# KiCad board Processor Board.kicad_pcb (continued)
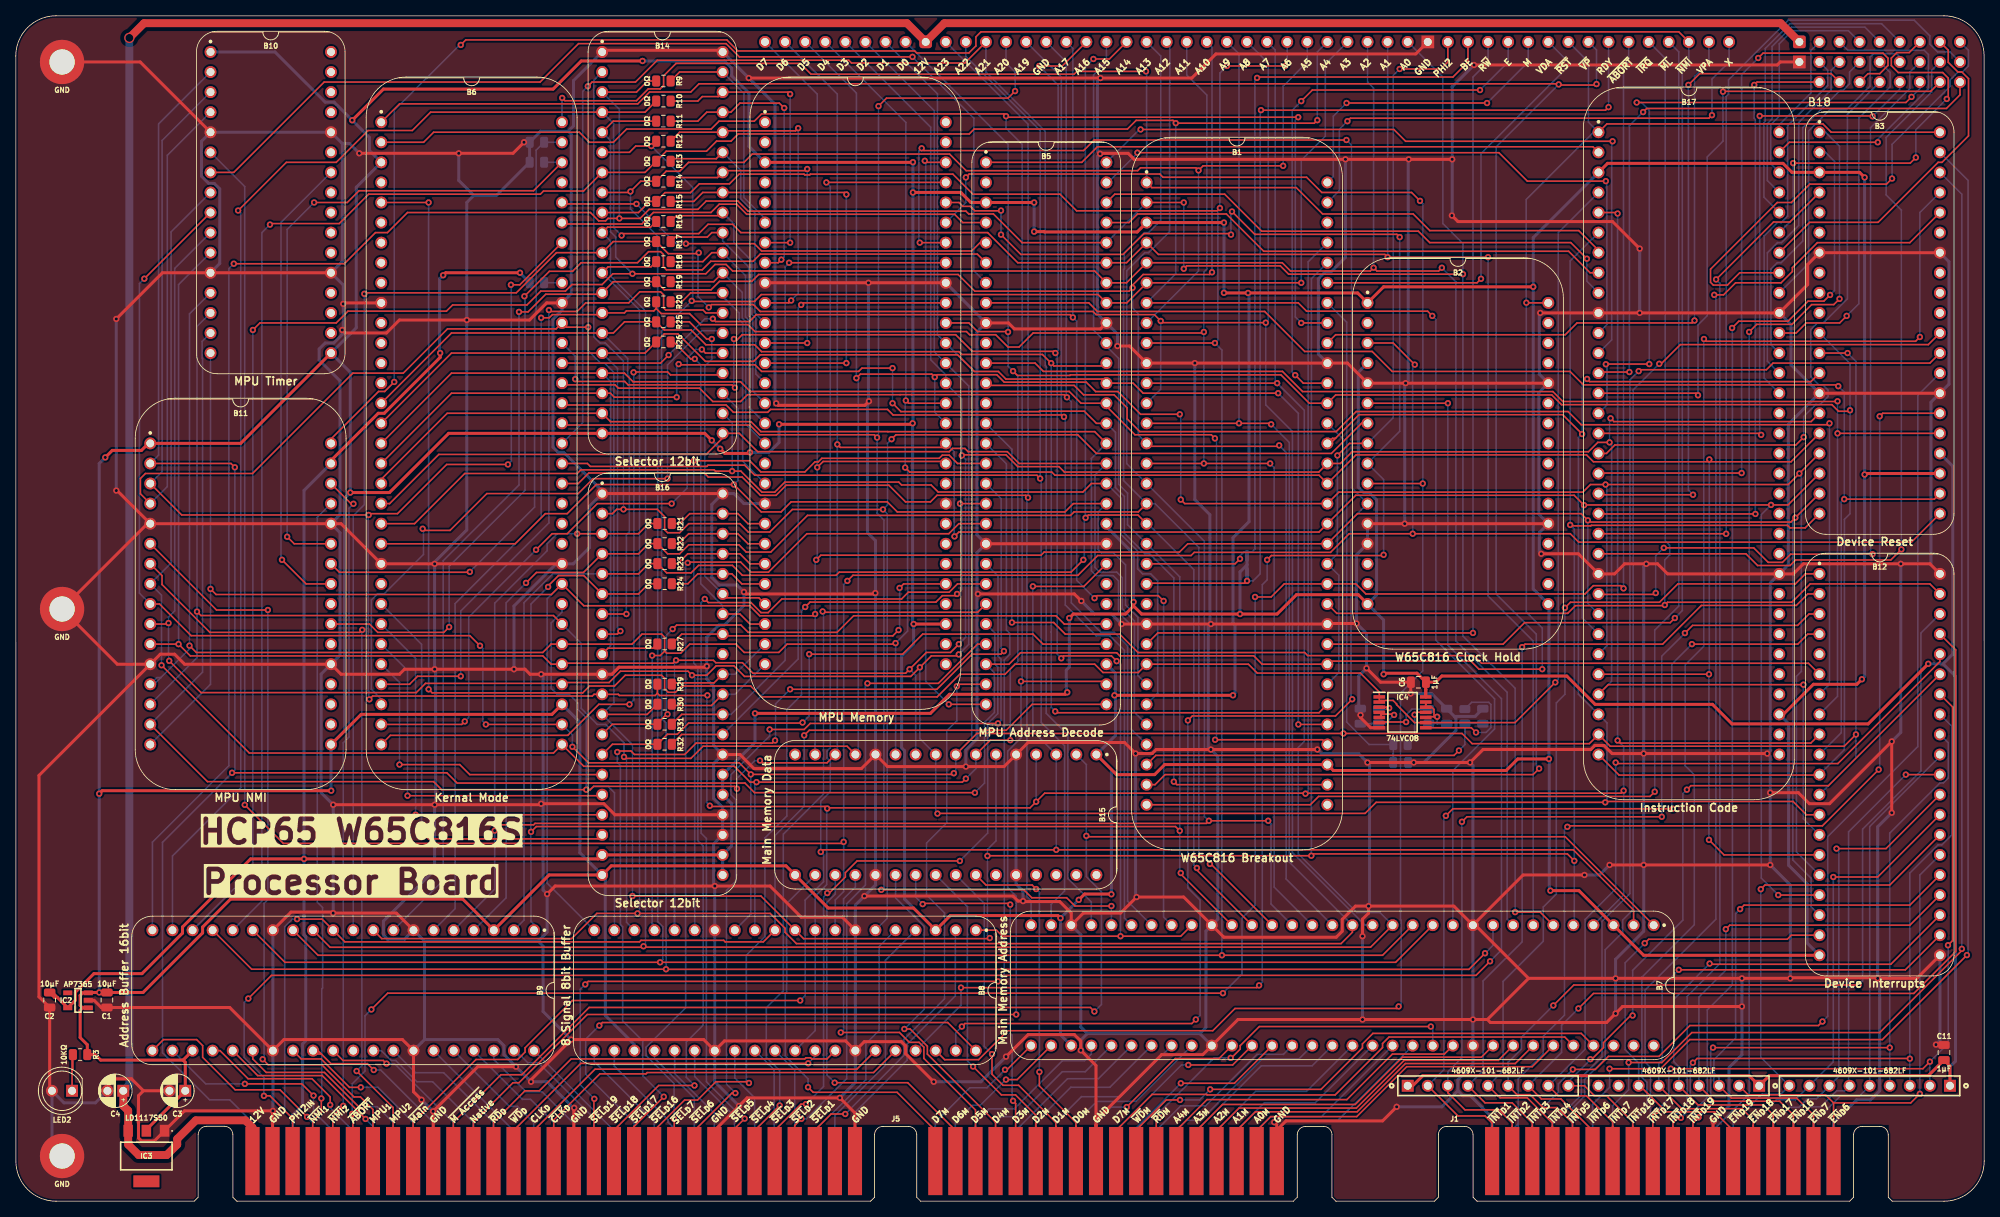
[diagram p0: board, top side]
## Footprints (pads in the part's own frame, mm; a bottom-side part is the same pattern mirrored in y, then rotated) (continued)
  rrect 1.6x1.6 hole 1: 9(20.32,0)
  rect 1.6x1.6 hole 1: 34(83.82,0)
HCP65_W65C816_Debug_Instruction
  rrect 1.6x1.6 hole 1: 1(-2.54,5.08)
  round 1.5 hole 1: 2(0,5.08) 3(2.54,5.08) 4(5.08,5.08) 5(7.62,5.08) 6(10.16,5.08) 7(12.7,5.08) 8(15.24,5.08) 9(17.78,5.08) 11(0,2.54) 12(2.54,2.54) 13(5.08,2.54) 14(7.62,2.54) 15(10.16,2.54) 16(12.7,2.54) 17(15.24,2.54) 18(17.78,2.54) 19(0,0) 20(2.54,0) 21(5.08,0) 22(7.62,0) 23(10.16,0) 24(12.7,0) 25(15.24,0) 26(17.78,0)
  rect 1.6x1.6 hole 1: 10(-2.54,2.54)
LD1117S33C
  rect 1.2x1.5 smd: 1(-2.3,-3.2) 2(0,-3.2) 3(2.3,-3.2)
  rect 3.3x1.5 smd: 4(0,3.2)
LED_D5.0mm
  rect 1.5x1.5 hole 1: 1(0,0)
  round 1.5 hole 1: 2(2.54,0)
NetTie-2_SMD_Pad0.5mm
  round 0.5 smd: 1(-0.5,0) 2(0.5,0)
R_0805
  rrect 1.4x1.025 smd: 1(-0.01,-0.912) 2(-0.01,0.912)
SOP65P640X110-14N
  rect 1.475x0.45 smd: 1(-2.938,1.95) 2(-2.938,1.3) 3(-2.938,0.65) 4(-2.938,0) 5(-2.938,-0.65) 6(-2.938,-1.3) 7(-2.938,-1.95) 8(2.938,-1.95) 9(2.938,-1.3) 10(2.938,-0.65) 11(2.938,0) 12(2.938,0.65) 13(2.938,1.3) 14(2.938,1.95)
SOT95P285X130-5N
  rect 1.15x0.6 smd: 1(-1.3,0.95) 2(-1.3,0) 3(-1.3,-0.95) 4(1.3,-0.95) 5(1.3,0.95)

## Nets
12V: B13.9 B18.1 C4.1 IC3.3 J5.B1
/3.3V: B2.4 B2.16 B3.24 B5.38 B11.31 B16.19 B16.21 B16.22 B16.25 B16.26 C2.1 C6.1 C11.1 IC2.5 IC4.14 NT1.2 NT2.2 NT3.2 R8.2 RN7.1 RN8.1 RN9.1
/5V: B1.3 B1.35 B2.1 B2.17 B3.3 B3.23 B4.3 B4.31 B5.3 B5.31 B6.3 B6.35 B7.3 B7.35 B8.3 B8.23 B9.3 B9.23 B10.1 B10.17 B11.1 B11.17 B12.20 B14.20 B15.1 B15.17 B16.20 B17.3 B17.35 C1.1 C3.1 IC2.1 IC2.3 IC3.2 R3.2
GND: B1.10 B1.23 B1.42 B1.55 B2.5 B2.12 B2.13 B2.21 B2.28 B3.7 B3.14 B3.27 B3.34 B4.9 B4.20 B4.37 B4.48 B5.9 B5.20 B5.37 B5.48 B6.10 B6.23 B6.42 B6.55 B7.10 B7.23 B7.30 B7.42 B7.55 B8.7 B8.14 B8.27 B8.34 B9.7 B9.14 B9.27 B9.34 B10.5 B10.12 B10.21 B10.28 B11.5 B11.12 B11.21 B11.28 B12.21 B12.40 B13.34 B14.1 B14.40 B15.5 B15.12 B15.21 B15.28 B16.1 B16.10 B16.23 B16.24 B16.27 B16.40 B17.10 B17.23 B17.42 B17.55 B18.10 C1.2 C2.2 C3.2 C4.2 C6.2 C7.2 C8.2 C9.2 C10.2 C11.2 H8.1 H9.1 H16.1 IC2.2 IC3.1 IC4.7 J1.2 J1.23 J1.36 J5.B2 J5.B10 J5.B17 J5.B24 J5.B31 J5.D9 J5.D18 LED2.2 R6.2 R7.2
/A0: B1.2 B5.52 B7.6 B9.20 B13.33 B14.3 R9.1
/A1: B1.4 B5.51 B7.7 B9.19 B13.32 B14.4 R10.1
/A2: B1.5 B5.50 B7.8 B9.18 B13.31 B14.5 R11.1
/A3: B1.6 B5.49 B7.9 B9.17 B13.30 B14.6 R12.1
/A4: B1.7 B7.11 B9.16 B13.29 B14.7 R13.1
/A5: B1.8 B7.12 B9.15 B13.28 B14.8 R14.1
/A6: B1.9 B7.13 B9.13 B13.27 B14.9 R15.1
/A7: B1.11 B7.14 B9.12 B13.26 B14.10 R16.1
/A8: B1.12 B7.15 B9.10 B13.25 B14.11 R17.1
/A9: B1.13 B7.16 B9.9 B13.24 B14.12 R18.1
/A10: B1.14 B7.17 B9.8 B13.23 B14.13 R19.1
/A11: B1.15 B7.18 B9.6 B13.22 B14.14 R20.1
/A12: B1.16 B7.19 B9.5 B13.21 B16.3 R21.1
/A13: B1.17 B7.20 B9.4 B13.20 B16.4 R22.1
/A14: B1.18 B7.21 B9.2 B13.19 B16.5 R23.1
/A15: B1.19 B5.47 B7.22 B9.1 B13.18 B16.6 R24.1
/A16: B6.53 B7.24 B8.1 B13.17
/A17: B6.52 B7.25 B13.16
/A18: B6.51 B7.26 B13.15
/A19: B6.50 B7.27 B13.14
/A20: B6.49 B7.28 B13.13
/A21: B6.48 B7.29 B13.12
/A22: B6.47 B7.31 B13.11
/A23: B6.46 B7.32 B13.10
/BA0: B1.38 B5.46 B6.15 B14.15 B16.7 R25.1
/BA1: B1.37 B5.45 B6.16 B14.16 B16.8 R26.1
/BA2: B1.36 B5.44 B6.17 B14.17 B16.9 R27.1
/BA3: B1.34 B5.43 B6.18 B14.18
/BA4: B1.29 B5.42 B6.19 B14.19
/BA5: B1.28 B5.41 B6.20 B14.21
/BA6: B1.27 B5.40 B6.21 B14.22
/BA7: B1.26 B5.39 B6.22 B14.23
/Bank Latch: B1.30 C9.1 R4.1
/BE: B1.20 B13.36 NT3.1
/CLK: B2.3 B3.21 B8.8 B10.6
/D0: B1.53 B3.11 B4.46 B6.33 B8.12 B10.8 B11.8 B12.11 B13.8 B15.7 B17.32
/D1: B1.52 B3.12 B4.45 B6.34 B8.13 B10.9 B11.9 B12.12 B13.7 B15.8 B17.31
/D2: B1.51 B3.13 B4.44 B6.36 B8.15 B10.10 B11.10 B12.13 B13.6 B15.9 B17.30
/D3: B1.50 B3.15 B4.43 B6.37 B8.16 B10.11 B11.11 B12.14 B13.5 B15.10 B17.29
/D4: B1.49 B3.16 B4.42 B6.38 B8.17 B10.13 B11.13 B12.15 B13.4 B15.11 B17.28
/D5: B1.48 B3.17 B4.41 B6.39 B8.18 B10.14 B11.14 B12.16 B13.3 B15.13 B17.27
/D6: B1.47 B3.18 B4.40 B6.40 B8.19 B10.15 B11.15 B12.17 B13.2 B15.14 B17.26
/D7: B1.46 B3.19 B4.39 B6.41 B8.20 B10.16 B11.16 B12.18 B13.1 B15.15 B17.25
/E: B1.54 B13.38
/Enter Interrupt: B6.62 B11.27 R6.1
/H0: B2.9 B4.52 B8.37
/H1: B2.10 B4.51 B8.38
/H2: B2.11 B4.50 B8.39
/IC0: B17.13 B18.26
/IC1: B17.14 B18.25
/IC2: B17.15 B18.24
/IC3: B17.16 B18.23
/IC4: B17.17 B18.22
/IC5: B17.18 B18.21
/IC6: B17.19 B18.20
/IC7: B17.20 B18.19
/IC8: B17.21 B18.18
/IC9: B17.22 B18.17
/IC10: B17.24 B18.16
/IC11: B17.56 B18.15
/IC12: B17.54 B18.14
/IC13: B17.53 B18.13
/IC14: B17.52 B18.12
/IC15: B17.51 B18.11
/Kernal Mode: B6.56 R8.1
/M: B1.64 B13.39
/OP0: B17.57 B18.9
/OP1: B17.58 B18.8
/OP2: B17.59 B18.7
/OP3: B17.60 B18.6
/OP4: B17.61 B18.5
/OP5: B17.62 B18.4
/OP6: B17.63 B18.3
/OP7: B17.64 B18.2
/Opcode Valid: B1.1 B6.64 B17.7
/PHI2: B1.39 B1.45 B2.8 B13.35
/RDY: B1.21 B13.43 NT2.1
/RTI: B6.63 B11.26 R7.1
/R~{W}: B1.24 B13.37
/SA0: B4.6 B14.39 R9.2
/SA1: B4.7 B14.38 R10.2
/SA2: B4.8 B14.37 R11.2
/SA3: B4.10 B14.36 R12.2
/SA4: B4.11 B14.35 R13.2
/SA5: B4.12 B14.34 R14.2
/SA6: B4.13 B14.33 R15.2
/SA7: B4.14 B14.32 R16.2
/SA8: B4.15 B14.31 R17.2
/SA9: B4.16 B14.30 R18.2
/SA10: B4.17 B14.29 R19.2
/SA11: B4.19 B14.28 R20.2
/SA12: B4.21 B16.39 R21.2
/SA13: B4.22 B16.38 R22.2
/SA14: B4.23 B16.37 R23.2
/SA15: B4.24 B16.36 R24.2
/SA16: B4.25 B16.35 R25.2
/SA17: B4.26 B16.34 R26.2
/SA18: B4.33 B16.33 R27.2
/S~{RAM_{CS}}: B4.47 B16.28 R32.2
/S~{RD}: B4.27 B16.31 R29.2
/S~{ROM_{CS}}: B4.49 B16.29 R31.2
/S~{WD}: B4.28 B16.30 R30.2
/UP0: B6.32 B14.24
/UP1: B6.31 B14.25
/UP2: B6.30 B14.26
/UP3: B6.29 B14.27
/UP4: B6.28 B16.15
/UP5: B6.27 B16.16
/UP6: B6.26 B16.17
/UP7: B6.25 B16.18
/VDA: B1.59 B13.40
/VPA: B1.56 B13.48
/X: B1.63 B13.49
/~{Clear Counter}: B5.1 B17.2
/~{CLK}: B2.7 B8.6 B14.2 B16.2
/~{Count Access}_{0}: B5.53 B17.8
/~{Count Access}_{1}: B5.54 B17.9
/~{Count Access}_{2}: B5.55 B17.11
/~{Count Access}_{3}: B5.56 B17.12
/~{Device Interrupt}_{ 1..7}: B5.14 B12.6
/~{Device Interrupt}_{ 16..19}: B5.12 B12.7
/~{Device Reset/Enable}_{ 1..7}: B3.25 B5.11 B12.8
/~{Device Reset/Enable}_{ 16..19}: B3.22 B5.8 B12.10
/~{Interrupt Depth}: B5.4 B6.59
/~{IRQ}: B1.43 B12.39 B13.45
/~{ML}: B1.32 B13.46
/~{NMI State}: B5.6 B11.23
/~{NMI}: B1.41 B11.32 B13.47
/~{PHI2}: B1.25 B6.5 B17.4 IC4.1 IC4.2 IC4.9
/~{PHI2}_{2}: C7.1 IC4.4 IC4.5 R1.1
/~{PHI2}_{3}: C8.1 IC4.10 IC4.12 IC4.13 R2.1
/~{RAM_{CS}}: B5.32 B16.14 R32.1
/~{RD}: B1.61 B6.58 B7.4 B8.9 B8.31 B10.3 B11.3 B12.9 B15.4 B16.11 B17.5 R29.1
/~{ROM_{CS}}: B5.33 B16.13 R31.1
/~{Special}: B4.54 B5.28
/~{Timer Speed Select}: B5.7 B10.7
/~{Timer}: B10.26 B11.25
/~{Trans Out}: B1.58 C10.1 R5.1
/~{User Program}: B5.5 B6.60
/~{VP}: B1.31 B6.1 B13.42
/~{WD}: B1.60 B3.20 B6.54 B7.5 B8.10 B10.4 B11.4 B15.6 B16.12 B17.6 R30.1
A0_{D}: B9.21 J5.A4
A0_{M}: B7.59 J5.D17
A1_{D}: B9.22 J5.A5
A1_{M}: B7.58 J5.D16
A2_{D}: B9.24 J5.A6
A2_{M}: B7.57 J5.D15
A3_{D}: B9.25 J5.A7
A3_{M}: B7.56 J5.D14
A4_{D}: B9.26 J5.A8
A4_{M}: B7.54 J5.D13
A5_{D}: B9.28 J5.A9
A5_{M}: B7.53 J5.D12
A6_{D}: B9.29 J5.A10
A6_{M}: B7.52 J5.C18
A7_{D}: B9.30 J5.A11
A7_{M}: B7.51 J5.C17
A8_{D}: B9.32 J5.A12
A8_{M}: B7.50 J5.C16
A9_{D}: B9.33 J5.A13
A9_{M}: B7.49 J5.C15
A10_{D}: B9.35 J5.A14
A10_{M}: B7.48 J5.C14
A11_{D}: B9.36 J5.A15
A11_{M}: B7.47 J5.C13
A12_{D}: B9.37 J5.A16
A12_{M}: B7.46 J5.C12
A13_{D}: B9.38 J5.A17
A13_{M}: B7.45 J5.C11
A14_{D}: B9.39 J5.A18
A14_{M}: B7.44 J5.C10
A15_{D}: B9.40 J5.A19
A15_{M}: B7.43 J5.C9
A16_{D}: B8.40 J5.A20
A16_{M}: B7.41 J5.C8
A17_{M}: B7.40 J5.C7
A18_{M}: B7.39 J5.C6
A19_{M}: B7.38 J5.C5
A20_{M}: B7.37 J5.C4
A21_{M}: B7.36 J5.C3
A22_{M}: B7.34 J5.C2
A23_{M}: B7.33 J5.C1
CLK_{D}: B8.35 J5.B15
CLK_{IN}: B2.6 J5.B3
D0_{D}: B8.30 J5.A28
D0_{M}: B15.26 J5.D8
D1_{D}: B8.29 J5.A27
D1_{M}: B15.25 J5.D7
D2_{D}: B8.28 J5.A26
D2_{M}: B15.24 J5.D6
D3_{D}: B8.26 J5.A25
D3_{M}: B15.23 J5.D5
D4_{D}: B8.25 J5.A24
D4_{M}: B15.22 J5.D4
D5_{D}: B8.24 J5.A23
D5_{M}: B15.20 J5.D3
D6_{D}: B8.22 J5.A22
D6_{M}: B15.19 J5.D2
D7_{D}: B8.21 J5.A21
D7_{M}: B15.18 J5.D1
H0_{D}: B8.2 J5.A31
H1_{D}: B8.4 J5.A30
H2_{D}: B8.5 J5.A29
Kernal: J5.A3 NT1.1
MPU0: B11.7 J5.B8
MPU1: B11.6 J5.B7
Native Latch: B1.57 B5.30 B6.2 J5.B12
~{ABORT}: B1.44 B13.44 J5.B6
~{CLK}_{D}: B8.36 J5.B16
~{Device}: B5.29 B8.11 B9.11 J5.A2
~{Enable}_{Device}1: B12.31 J1.34 RN8.5
~{Enable}_{Device}2: B12.30 J1.32 RN8.6
~{Enable}_{Device}3: B12.29 J1.30 RN8.7
~{Enable}_{Device}4: B12.28 J1.28 RN8.8
~{Enable}_{Device}5: B12.27 J1.26 RN8.9
~{Enable}_{Device}6: B12.26 J1.35 RN9.2
~{Enable}_{Device}7: B12.25 J1.33 RN9.3
~{Enable}_{Device}16: B12.24 J1.31 RN9.4
~{Enable}_{Device}17: B12.23 J1.29 RN9.5
~{Enable}_{Device}18: B12.22 J1.27 RN9.6
~{Enable}_{Device}19: B12.19 J1.25 RN9.7
~{Interrupt}_{Device}1: B12.4 J1.1 RN7.2
~{Interrupt}_{Device}2: B12.3 J1.3 RN7.3
~{Interrupt}_{Device}3: B12.2 J1.5 RN7.4
~{Interrupt}_{Device}4: B12.1 J1.7 RN7.5
~{Interrupt}_{Device}5: B12.38 J1.9 RN7.6
~{Interrupt}_{Device}6: B12.37 J1.11 RN7.7
~{Interrupt}_{Device}7: B12.36 J1.13 RN7.8
~{Interrupt}_{Device}16: B12.35 J1.15 RN7.9
~{Interrupt}_{Device}17: B12.34 J1.17 RN8.2
~{Interrupt}_{Device}18: B12.33 J1.19 RN8.3
~{Interrupt}_{Device}19: B12.32 J1.21 RN8.4
~{Main Access}: B7.1 B15.2 J5.B11
~{Main}: B4.53 B5.36 B7.2 B15.3 J5.B9
~{NMI}_{1}: B11.29 J5.B4
~{NMI}_{2}: B11.30 J5.B5
~{RD}_{D}: B8.33 J5.B13
~{RD}_{M}: B7.60 J5.D10
~{Reset}: B1.40 B2.32 B3.40 B5.26 B10.2 B11.2 B13.41 B17.1 J5.A1
~{Reset}_{Device}1: B3.1 J1.24
~{Reset}_{Device}2: B3.2 J1.22
~{Reset}_{Device}3: B3.4 J1.20
~{Reset}_{Device}4: B3.36 J1.18
~{Reset}_{Device}5: B3.37 J1.16
~{Reset}_{Device}6: B3.38 J1.14
~{Reset}_{Device}7: B3.39 J1.12
~{Reset}_{Device}16: B3.30 J1.10
~{Reset}_{Device}17: B3.29 J1.8
~{Reset}_{Device}18: B3.28 J1.6
~{Reset}_{Device}19: B3.26 J1.4
~{Select}_{Device}1: B5.27 J5.B29
~{Select}_{Device}2: B5.25 J5.B28
~{Select}_{Device}3: B5.24 J5.B27
~{Select}_{Device}4: B5.23 J5.B26
~{Select}_{Device}5: B5.22 J5.B25
~{Select}_{Device}6: B5.21 J5.B23
~{Select}_{Device}7: B5.19 J5.B22
~{Select}_{Device}16: B5.18 J5.B21
~{Select}_{Device}17: B5.17 J5.B20
~{Select}_{Device}18: B5.16 J5.B19
~{Select}_{Device}19: B5.15 J5.B18
~{WD}_{D}: B8.32 J5.B14
~{WD}_{M}: B7.61 J5.D11
Net-(IC4-1Y): IC4.3 R1.2
Net-(IC4-2Y): IC4.6 R2.2
Net-(IC4-3Y): IC4.8 R4.2
Net-(IC4-4Y): IC4.11 R5.2
Net-(LED2-K): LED2.1 R3.1

Pads without a net: B1 22 33 62; B2 2 14 15 18 19 20 22 23 24 25 26 27 29 30 31; B3 5 6 8 9 10 31 32 33 35; B4 1 2 4 5 18 29 30 32 34 35 36 38 55 56; B5 2 10 13 34 35; B6 4 6 7 8 9 11 12 13 14 24 43 44 45 57 61; B7 62 63 64; B9 31; B10 18 19 20 22 23 24 25 27 29 30 31 32; B11 18 19 20 22 24; B12 5; B15 16 27 29 30 31 32; B16 32; B17 33 34 36 37 38 39 40 41 43 44 45 46 47 48 49 50; IC2 4; IC3 4; J5 B30; RN9 8 9

## Via types
v1: diameter 0.8, hole 0.4, Top to Bottom, 622 vias
v2: diameter 1.3, hole 1, Top to Bottom, 1 via

## Routing (per net, layer and track width the routed paths; a pad name or vN(x,y) marks a point on that pad's centre or on a via; arc(x,y) is an arc through that point)
12V: length 378.6
  Top w1: J5.B1 29.93,9.33 29.02,10.23 22.77,10.23 20.41,7.87 20.41,7.17 19.09,5.84 15.53,5.84 14.21,7.17 IC3.3 14.21,11.45 13.6,12.07 13.6,13.96 ; v2(14.36,147.19) 16.22,149.06 112.7,149.06 B13.9 117.44,149.06 223.19,149.06 B18.1
  Bottom w1: C4.1 14.36,14.74 v2(14.36,147.19)
/3.3V: length 632.8
  Top w0.38: 5.26,25.77 4.62,26.41 ; 5.26,25.77 IC2.5 7.53,25.43 7.53,26.45 9.88,28.79 15.95,28.79 21.08,33.92 21.08,34.69 29.7,43.31 v1(36.45,43.31) 73.64,43.31 B16.19 B16.22 ; 5.26,25.77 4.92,25.77 4.28,26.41 ; v1(172.98,66.68) 173.11,66.8 177.2,66.8 C6.1 179.56,65.67 180.35,66.45 196.14,66.45 199.73,62.87 214.57,62.87 217.05,60.39 234.26,60.39 v1(241.86,67.99) ; 39.86,93.72 45.83,99.7 46.59,99.7 53.67,106.77 v1(53.67,107.32) ; 178.31,64.72 IC4.14 178.31,64.73 ; 178.31,64.73 178.31,65.33 ; RN7.1 176.66,14.61 177.93,15.88 219.21,15.88 RN9.1 221.75,15.88 241.86,15.88 C11.1 244.61,17.1 RN8.1 ; v1(63.76,117.48) 54.36,117.48 v1(54.05,117.16) ; v1(93.48,61.72) 115.66,61.72 118.07,64.14 132.72,64.14 v1(132.98,64.39) ; B2.16 169.77,76.74 161.97,76.74 159.52,74.3 v1(154.82,74.3) 142.38,74.3 141.36,75.31 ; 141.36,75.31 v1(141.36,75.82) ; 141.36,75.31 140.34,74.3 133.74,74.3 v1(133.23,73.79)
  Bottom w0.38: 155.71,80.52 154.82,79.63 v1(154.82,74.3) ; 155.71,80.52 NT3.2 ; 155.71,80.52 NT2.2 ; v1(241.86,67.99) 243.73,67.99 ; 243.73,67.99 245.31,66.42 245.31,17.72 244.61,17.02 RN8.1 ; 243.73,67.99 244.95,69.22 244.95,93 B3.24 ; R8.2 63.76,117.44 v1(63.76,117.48) ; 137.93,85.34 141.36,81.92 v1(141.36,75.82) ; v1(133.23,73.79) 133.23,67.58 132.85,67.2 132.85,64.52 v1(132.98,64.39) ; v1(54.05,117.16) 53.6,116.71 53.6,107.38 v1(53.67,107.32) ; v1(172.98,66.68) 172.98,73.53 B2.16 172.09,76.71 172.09,88.74 171.17,89.66 170.46,89.66 169.78,90.35 169.78,104.87 B2.4 ; B16.21 B16.22 90.54,44.96 90.54,50.29 B16.25 B16.26 93.48,58.06 v1(93.48,61.72) ; B11.31 36.45,89.93 v1(36.45,43.31) 36.45,33.68 36.67,33.47 36.67,20.3 36.27,19.91 36.27,12.14 NT1.2
/5V: length 1322
  Top w0.38: v1(89.08,95.21) 89.67,94.62 92.72,94.62 v1(92.84,94.74) ; v1(233.47,66.04) 232.83,65.41 227.34,65.41 223.53,61.6 ; v1(132.11,35.81) 131.79,36.14 118.18,36.14 B8.3 113.52,37.1 102.74,37.1 B15.17 97.4,42.44 75.31,42.44 B16.20 67.44,41.28 B9.3 56.52,38.23 27.16,38.23 23.62,34.69 23.62,33.95 16.09,26.41 v1(10.55,26.41) 9.21,26.41 ; v1(88.02,96.27) 87.13,97.16 B14.20 54.75,97.16 47.25,89.67 42.3,89.67 v1(42.3,89.66) ; B3.23 233.94,92.08 v1(233.81,91.95) ; v1(96.53,98.3) 113.29,98.3 v1(113.42,98.43) ; v1(11.31,94.11) 12.2,95 15.88,95 16.77,95.89 ; v1(10.55,51.56) 10.93,51.94 v1(39.89,51.94) ; v1(191.91,115.7) 172.98,115.7 B2.1 169.7,114.92 v1(155.84,114.92) 152.81,114.92 v1(152.79,114.94) ; B10.17 28.43,95.89 B11.1 ; 21.16,17.85 10.73,17.85 10.03,18.55 R3.2 9.04,19.8 8.14,20.7 8.14,24.16 8.44,24.46 ; 21.16,17.85 21.43,17.58 C3.1 16.51,9.05 ; 21.16,17.85 B9.23 ; v1(233.81,129.54) 233.18,130.18 B3.3 224.64,130.18 223.49,131.32 201.3,131.32 B17.3 ; 8.44,24.46 8.14,24.77 8.14,26.04 8.46,26.36 IC2.3 ; 8.44,24.46 IC2.1 ; v1(113.45,131.47) 113.43,131.45 B4.3 ; B15.1 139.2,53.98 144.03,53.98 145.3,55.25 B1.35 166.62,54.5 188.49,54.5 189.95,55.96 v1(193.89,55.96) ; v1(152.79,123.83) B1.3 141.82,122.64 130.1,122.64 130.06,122.68 v1(128.79,122.68) ; v1(134.43,38.13) 135.16,38.86 138.53,38.86 v1(138.55,38.84) ; v1(128.79,126.37) B5.3 120.79,126.37 119.52,127.64 v1(113.45,127.64) ; B12.20 205.87,31.12 197.69,39.29 v1(194.08,39.29) ; v1(79.26,144.27) 71.51,144.27 67.95,140.72 46.49,140.72 v1(42.54,136.77) ; v1(138.95,64.01) v1(153.93,64.01) ; B6.35 67.8,61.6 43.67,61.6 B11.17 ; v1(113.55,73.03) B4.31
  Bottom w0.38: v1(233.47,66.04) 233.81,66.39 v1(233.81,91.95) v1(233.81,129.54) ; B17.35 224.21,60.41 224.21,42.5 226.55,40.16 226.55,32.67 B12.20 ; v1(10.55,26.41) v1(10.55,51.56) 10.55,93.35 v1(11.31,94.11) ; B5.31 139.07,66.8 139.07,64.14 v1(138.95,64.01) 139.07,63.88 139.07,58.93 B15.1 138.55,54.62 v1(138.55,38.84) ; B4.3 92.72,133.48 92.72,140.22 90.53,142.4 90.53,143.35 89.61,144.27 v1(79.26,144.27) ; v1(155.84,114.92) 155.96,114.79 155.96,85.98 153.93,83.95 153.93,73.15 154.19,72.9 154.19,64.26 v1(153.93,64.01) ; v1(152.79,123.83) v1(152.79,114.94) ; v1(92.84,94.74) 95.26,94.74 96.53,96.01 v1(96.53,98.3) ; v1(39.89,51.94) 39.86,51.97 B11.17 41.58,59.51 41.58,88.95 v1(42.3,89.66) 42.3,104.88 B10.17 43.06,110.51 43.06,128.29 B6.3 44.71,132.95 44.71,134.6 v1(42.54,136.77) 40.25,139.07 39.12,139.07 32.77,145.42 B10.1 ; B17.3 191.91,121.92 v1(191.91,115.7) 191.91,77.47 B2.17 ; v1(113.45,131.47) v1(113.45,127.64) 113.45,98.46 v1(113.42,98.43) 113.42,73.15 v1(113.55,73.03) 113.55,70.49 112.02,68.96 112.02,57.37 112.4,56.99 112.4,38.22 B8.3 ; v1(89.08,95.21) v1(88.02,96.27) ; B7.35 132.11,21.05 v1(132.11,35.81) v1(134.43,38.13) ; B8.23 78.23,19.82 74.55,23.5 74.55,40.88 B16.20 71.33,44.1 71.33,60.61 B6.35 ; 193.89,75.49 v1(193.89,55.96) 193.94,55.91 193.94,39.43 v1(194.08,39.29) ; v1(128.79,122.68) v1(128.79,126.37)
GND: length 3323.3
  Top w0.38: v1(201.56,42.55) v1(205.88,42.55) v1(221.88,42.55) ; B10.5 15.73,144.15 H8.1 ; B13.34 177.05,145.16 151.77,145.16 148.73,142.11 v1(137.17,142.11) v1(92.69,142.11) ; B16.27 91.58,56.52 93.35,54.74 106.94,54.74 B15.12 110.24,54.99 v1(120.15,54.99) 124.98,54.99 B15.5 128.02,58.04 140.22,58.04 v1(141.61,56.64) 141.62,56.65 143.72,56.65 144.22,57.15 v1(151.14,57.15) 164.59,57.15 v1(164.6,57.16) ; C4.2 11.59,14.55 12.53,15.49 14.61,15.49 16.14,13.97 ; v1(184.41,143.76) 222.77,143.76 223.15,144.15 B18.10 ; B11.5 12.81,89.92 v1(12.71,89.92) ; 104.22,13.07 106.13,11.16 106.13,8.12 ; 104.22,13.07 92.49,13.07 v1(91.47,12.05) 88.35,8.93 ; 104.22,13.07 v1(104.22,13.08) ; 4.28,14.26 4.28,24.51 2.93,25.86 2.93,53.87 B11.12 ; v1(198.38,41.28) 190.63,41.28 184.28,34.93 181.87,37.34 v1(171.08,37.34) ; 17.18,85.73 B11.28 41.13,85.73 B6.23 v1(52.97,80.65) B6.42 ; v1(221.5,56.64) v1(205.88,56.64) 201.88,56.64 200.87,57.66 199.69,57.66 199.18,57.15 185.56,57.15 v1(183.91,55.51) v1(176.79,55.51) 170.96,55.51 v1(170.95,55.5) ; B5.9 125.53,111.13 126.28,110.38 137.18,110.38 B5.48 ; v1(171.08,37.34) 171.08,36.45 170.31,35.69 v1(170.31,33.53) ; v1(171.08,37.34) 169.42,37.34 167.75,35.66 167.75,34.16 166.99,33.4 152.78,33.4 B7.23 147.7,38.48 v1(141.74,38.48) 139.71,36.45 135,36.45 B7.30 133.48,36.46 132.03,37.91 127.45,37.91 v1(127.39,37.97) 126.75,37.97 126.12,38.61 v1(107.32,38.61) ; v1(170.82,67.44) 172.59,65.67 C6.2 ; B3.14 B3.27 ; v1(51.32,12.83) 50.29,13.85 B9.34 48.89,20.45 33.91,20.45 B9.27 27.05,24.51 10.81,24.51 9.9,25.41 IC2.2 ; B16.1 B16.40 ; v1(96.17,100.95) 96.43,100.69 107.37,100.69 v1(107.89,101.22) ; 165.94,73.1 v1(169.56,73.1) ; 159.47,9.68 J5.D18 ; v1(41.41,113.54) 41.54,113.67 B6.10 ; 136.61,10.24 144.92,18.55 150.12,18.55 B7.42 154.56,22.99 v1(170.31,22.99) v1(184.29,22.99) 186.11,22.99 ; 136.61,10.24 136.61,17.16 v1(134.69,19.09) 134.69,20.26 133.87,21.08 128.02,21.08 v1(125.23,18.29) ; 136.61,10.24 136.61,9.63 ; B1.42 v1(151.14,73.03) B1.23 v1(139.84,73.03) ; v1(242.83,19.81) 242.88,19.76 C11.2 ; 52.79,8.97 52.79,11.35 v1(52.78,11.37) 58.43,17.02 v1(63.25,17.02) ; v1(67.19,38.86) 68.21,39.88 v1(88.4,39.88) 95.38,39.88 99.32,35.94 104.52,35.94 B8.7 ; v1(192.79,112.4) B17.10 v1(205.37,112.4) B17.55 226.61,115.99 226.61,118.53 B3.7 B3.34 ; v1(137.13,132.53) 137.18,132.59 140.68,132.59 141.43,131.83 v1(168.16,131.83) v1(176.16,131.83) v1(181.66,131.83) ; B11.12 12.83,67.95 H16.1 16.64,85.73 ; B11.12 18.27,69.22 20.07,69.22 21.34,67.95 B11.21 41.13,66.68 48.52,66.68 49.16,67.31 v1(52.97,67.31) v1(63,67.31) 64.4,67.31 65.03,66.68 v1(66.44,66.68) B16.10 75.39,66.68 76.28,67.56 87.26,67.56 v1(87.38,67.69) ; v1(41.28,110.24) 41.66,109.86 46.87,109.86 48.51,111.5 v1(57.03,111.5) 64.97,111.5 67.14,113.67 B6.55 ; 16.14,13.97 15.52,13.35 15.52,8 15.9,7.62 17.52,7.62 IC3.1 21.32,11.43 v1(32.51,11.43) 32.47,11.39 J5.B2 ; 16.14,13.97 C3.2 ; v1(214.72,10.11) 214.65,10.04 214.65,7.56 ; v1(176.41,64.24) 176.41,65.64 ; v1(64.27,133.99) 62.87,132.59 v1(56.02,132.59) v1(43.44,132.59) ; 191.31,28.19 v1(202.32,28.19) v1(218.29,28.19) v1(224.42,28.19) 224.5,28.27 235.39,28.27 v1(235.47,28.19) 240.42,28.19 B12.21 ; 191.31,28.19 186.11,22.99 ; 191.31,28.19 184.58,34.93 ; v1(40.14,50.17) v1(52.97,50.17) 66.31,50.17 v1(66.44,50.29) 74.37,50.29 75.76,48.9 B16.24 ; v1(205.37,120.52) 201.94,123.96 182.38,123.96 v1(181.62,124.71) ; v1(174.63,11.94) 172.86,10.16 160.64,10.16 159.47,8.99 ; 186.11,22.99 186.49,22.61 201.18,22.61 v1(202.32,23.75) 203.21,24.64 v1(218.29,24.64) ; v1(134.76,75.95) 133.87,76.84 v1(121.67,76.84) ; J5.B17 70.57,11.76 v1(70.62,11.81) ; B9.7 48.13,36.45 v1(40.14,36.45) 40.01,36.58 34.8,36.58 B9.14 ; 89.19,145.62 74.36,145.62 ; v1(139.33,108.2) 140.85,108.2 B1.10 v1(149.11,106.05) B1.55 168.41,106.05 B2.5 v1(175.76,103.51) B2.28 ; v1(237.24,49.15) v1(237.24,58.17) 229.37,50.29 226.83,50.29 225.43,51.69 v1(221.88,51.69) ; v1(12.71,111.63) 18.55,117.48 B10.12 B10.21 ; v1(65.16,15.11) 65.16,15.37 v1(70.24,20.45) 87,20.45 B8.27 89.62,20.28 104.94,20.28 B8.34 107.31,20.19 111.98,20.19 112.53,19.64 112.53,18.67 v1(116.09,15.11) ; 136.61,9.63 J5.D9 ; 136.61,9.63 136.61,9.02 ; v1(108.7,76.95) 108.58,76.84 92.34,76.84 v1(92.08,77.09) ; IC4.7 171.34,59.91 170.06,61.19 v1(170.06,61.52) ; B4.48 v1(107.83,116.21) B4.9 ; B5.20 B5.37 ; B2.12 v1(175.65,85.73) B2.21 ; v1(192.92,81.92) 197.62,81.92 B17.23 202.19,79.38 203.46,80.65 v1(206.21,80.65) 207.63,80.65 208.9,79.38 B17.42 224.8,79.38 226.07,80.65 v1(238.39,80.65) 242.07,80.65 B12.40
  Bottom w0.38: 182.38,13.97 180.35,11.94 v1(174.63,11.94) ; 182.38,13.97 183.02,13.34 183.97,13.34 186.71,10.59 186.71,7.84 ; 182.38,13.97 182.38,15.37 184.28,17.26 184.28,19.69 ; v1(70.24,20.45) 66.68,24 66.68,32.26 66.05,32.89 ; C4.2 10.06,12.45 6.1,12.45 LED2.2 4.57,6.99 ; B12.21 243.34,20.32 v1(242.83,19.81) ; B2.12 B2.13 169.56,81.8 v1(169.56,73.1) 170.82,71.84 v1(170.82,67.44) 169.84,66.45 169.84,62.49 ; v1(125.23,18.29) 122.05,15.11 v1(116.09,15.11) ; B4.20 92.08,88.27 90.81,89.54 B16.40 88.02,88.16 88.02,78.9 88.94,77.98 91.2,77.98 v1(92.08,77.09) 92.08,75.37 89.61,72.9 88.92,72.9 87.38,71.36 v1(87.38,67.69) 87.38,66.04 88.25,65.17 88.25,57.66 B16.27 88.25,55.38 88.25,50.96 89.39,49.82 B16.23 88.25,45.22 88.25,40.03 v1(88.4,39.88) 88.39,39.87 B8.14 B8.27 88.39,15.12 v1(91.47,12.05) ; v1(202.32,23.75) v1(202.32,28.19) 202.32,30.61 205.88,34.16 v1(205.88,42.55) v1(205.88,56.64) 205.88,80.31 v1(206.21,80.65) ; B9.34 51.35,20.11 51.69,20.45 ; v1(141.74,38.48) 141.61,38.61 v1(141.61,56.64) ; v1(63,67.31) 63,75.31 68.33,80.65 B6.42 ; 149.73,21.21 150.51,21.98 150.51,34.18 B7.23 152.01,35.68 152.01,56.28 v1(151.14,57.15) 150.81,57.48 150.81,72.69 v1(151.14,73.03) 151.01,73.15 151.01,86.87 149.11,88.77 v1(149.11,106.05) ; 149.73,21.21 B7.42 ; 149.73,21.21 135.52,21.21 ; 181.99,61.29 182.04,61.34 184.56,61.34 C9.2 ; 181.99,61.29 182.13,61.15 182.13,59.56 178.07,55.51 v1(176.79,55.51) C10.2 ; 181.99,61.29 C8.2 179.03,64.24 v1(176.41,64.24) ; v1(137.17,142.11) 136.79,141.74 136.79,132.87 v1(137.13,132.53) 136.79,132.19 136.79,112.27 B5.48 139.33,109.73 v1(139.33,108.2) ; v1(43.44,132.59) 42.2,133.83 41.28,133.83 ; B17.55 224.51,110.91 224.51,105.83 B3.14 224.16,98.3 224.16,80.52 B17.42 221.88,78.23 221.88,57.02 v1(221.5,56.64) 221.88,56.26 v1(221.88,51.69) v1(221.88,42.55) 224.42,40.01 v1(224.42,28.19) ; v1(51.32,12.83) v1(52.78,11.37) ; R7.2 v1(64.27,133.99) ; R7.2 R6.2 60.78,127.25 57.92,127.25 ; R7.2 66.38,135.38 69.86,135.38 ; B16.1 72.56,87.95 72.56,82.71 70.49,80.65 69.6,80.65 ; 51.69,32.89 66.05,32.89 ; 51.69,32.89 51.35,33.24 B9.7 49.15,33.15 47.02,33.15 46.49,33.68 46.49,35.43 52.97,41.91 v1(52.97,50.17) 53.09,50.29 53.09,67.18 v1(52.97,67.31) v1(52.97,80.65) 52.97,80.87 57.03,84.94 v1(57.03,111.5) 57.03,126.37 57.92,127.25 ; 51.69,32.89 51.69,20.45 ; 66.05,32.89 67.19,34.04 v1(67.19,38.86) 66.68,39.37 66.68,50.05 v1(66.44,50.29) 66.68,50.53 66.68,66.43 v1(66.44,66.68) ; 51.69,20.45 60.97,20.45 61.73,19.69 61.73,18.54 v1(63.25,17.02) v1(65.16,15.11) 67.19,15.11 70.49,11.81 v1(70.62,11.81) ; v1(120.15,54.99) 120.15,57.09 121.55,58.49 121.55,76.71 v1(121.67,76.84) 121.55,76.96 121.55,82.05 B5.20 121.55,84.33 121.55,109.98 B5.9 B4.48 ; B7.30 134.69,33.72 134.69,22.04 135.52,21.21 ; B12.40 242.2,80.52 242.2,101.1 B3.27 244.48,103.38 244.48,118.88 B3.34 ; 229.89,8.98 229.89,9.45 ; 229.89,9.45 229.89,9.92 232.8,12.83 234.58,12.83 235.72,13.97 235.72,27.94 v1(235.47,28.19) 235.47,47.37 v1(237.24,49.15) ; 229.89,9.45 J1.36 ; v1(238.39,80.65) 238.39,59.31 v1(237.24,58.17) ; v1(134.69,19.09) 134.69,20.38 135.52,21.21 ; 57.92,127.25 56.02,129.16 v1(56.02,132.59) ; B10.12 25.79,118.64 25.79,128.08 25.09,128.78 24.39,128.78 23.48,129.69 23.48,134.12 B10.5 B10.28 41.28,133.83 ; v1(205.37,112.4) v1(205.37,120.52) ; v1(184.41,143.76) 181.66,141.01 v1(181.66,131.83) 181.66,124.76 v1(181.62,124.71) ; 41.28,133.83 41.28,118.9 B10.21 41.41,115.93 v1(41.41,113.54) 41.41,110.36 v1(41.28,110.24) 41.28,109.66 40.2,108.59 39.12,108.59 38.36,107.82 38.36,106.43 41,103.79 41,86.87 B11.28 41,84.59 41,69.09 B11.21 38.62,66.7 38.62,51.69 v1(40.14,50.17) v1(40.14,36.45) ; B6.55 70.24,114.83 70.24,135 69.86,135.38 ; v1(32.51,11.43) B9.27 B9.14 ; v1(164.6,57.16) 165.11,56.65 169.8,56.65 v1(170.95,55.5) 171.2,55.25 171.2,37.46 v1(171.08,37.34) ; B15.5 B15.28 126.5,40.13 127.38,39.25 127.38,37.98 v1(127.39,37.97) ; v1(175.65,85.73) 175.65,103.39 v1(175.76,103.51) 176.09,103.83 176.09,131.76 v1(176.16,131.83) ; v1(139.84,73.03) 138.56,74.3 136.41,74.3 v1(134.76,75.95) ; v1(168.16,131.83) 168.16,119.42 166.34,117.61 165.62,117.61 164.73,116.72 164.73,107.19 B1.55 ; v1(198.38,41.28) 200.29,41.28 v1(201.56,42.55) ; v1(183.91,55.51) 184.28,55.15 184.28,23 v1(184.29,22.99) 184.28,22.98 184.28,20.53 183.85,20.11 ; v1(170.06,61.52) 170.06,62.26 ; 74.15,89.88 69.28,94.75 68.6,94.75 67.93,95.41 67.93,111.6 69.07,112.74 69.07,113.22 ; B14.40 v1(92.69,142.11) 96.02,138.79 96.02,101.1 v1(96.17,100.95) ; 69.86,135.38 70.53,136.05 70.53,141.79 B14.1 ; v1(170.31,33.53) v1(170.31,22.99) ; v1(192.79,112.4) 192.67,112.27 192.67,104.65 B2.28 192.61,102.31 192.61,86.92 B2.21 192.67,84.59 192.67,82.17 v1(192.92,81.92) ; v1(104.22,13.08) 106.17,15.03 B8.34 B8.7 106.17,37.46 v1(107.32,38.61) 108.72,40.01 B15.21 B15.12 108.72,76.93 v1(108.7,76.95) 108.72,76.97 108.72,83.57 107.7,84.59 107.7,101.03 v1(107.89,101.22) 107.83,101.28 v1(107.83,116.21) ; v1(12.71,89.92) v1(12.71,111.63) ; v1(214.72,10.11) 216.67,12.06 216.67,16.91 218.29,18.53 v1(218.29,24.64) v1(218.29,28.19)
  vias: v1(159.15,9.99)
/A0: length 407
  Top w0.2: v1(27.57,118.62) 41.54,118.62 45.48,122.56 47,122.56 49.54,125.1 72.67,125.1 73.72,124.05 74.59,124.05 74.9,124.36 v1(76.33,124.36) 78.95,124.36 80.1,125.5 86.27,125.5 87.31,126.55 91.33,126.55 92.6,125.28 120.15,125.28 120.51,124.92 123.63,124.92 127.26,121.29 B5.52 ; v1(189.62,36.58) 192.79,36.58 B7.6 ; v1(147.71,117.98) 148.07,118.35 159.92,118.35 160.97,117.3 v1(183.02,117.3) ; B1.2 v1(147.71,126.37) ; B14.3 78.49,140.34 79.9,141.74 80.99,141.74
  Bottom w0.2: B13.33 180.48,142.24 180.48,123.7 183.02,121.16 v1(183.02,117.3) 183.02,71.5 189.62,64.9 v1(189.62,36.58) ; v1(76.33,124.36) 76.33,138.16 B14.3 ; B9.20 17.27,45.43 26.95,55.11 26.95,118 v1(27.57,118.62) ; v1(147.71,126.37) v1(147.71,117.98) ; B1.2 B5.52
/A1: length 398.1
  Top w0.2: 80.99,139.2 79.58,137.8 B14.4 52.46,137.8 50.14,135.48 44.55,135.48 40.52,131.45 34.21,131.45 v1(28.12,125.35) ; v1(186.19,119.45) v1(173.49,119.45) 173.14,119.8 144.5,119.8 B1.4 140.47,118.75 B5.51 126.71,118.75 122.9,122.56 91.7,122.56 90.65,123.61 87.55,123.61 86.37,122.43 76.85,122.43 v1(76.61,122.19)
  Bottom w0.2: B14.4 75.6,136.35 75.6,123.19 v1(76.61,122.19) ; v1(28.12,125.35) 28.45,125.02 28.45,52.32 19.81,43.68 B9.19 ; 191.9,34.93 191.9,70.87 186.19,76.58 v1(186.19,119.45) ; B13.32 v1(173.49,119.45)
/A2: length 378.6
  Top w0.2: v1(29.98,110.24) 30.87,111.13 40.52,111.13 42.01,112.62 54.46,112.62 55.24,113.4 64.64,113.4 66.39,115.16 69.51,115.16 70.34,115.99 74.15,115.99 75.51,117.35 v1(77.99,117.35) 87.26,117.35 88.43,118.53 89.83,118.53 90.66,117.7 136.44,117.7 B5.50 140.47,116.21 B1.5 160.16,118.75 161.21,117.7 171.3,117.7 v1(171.71,118.11) 172.13,117.7 179.93,117.7 v1(180.35,118.11) ; B14.5 75.56,136.66 80.99,136.66
  Bottom w0.2: B9.18 29.98,41.92 v1(29.98,110.24) ; v1(180.35,118.11) 182.13,116.33 182.13,70.87 188.61,64.39 188.61,35.68 B7.8 ; v1(171.71,118.11) 171.71,140.84 170.95,141.61 B13.31 ; v1(77.99,117.35) 75.86,119.47 75.86,122.01 75.2,122.67 75.2,134.21 B14.5
/A3: length 394.7
  Top w0.2: B1.6 v1(162.57,116.21) ; v1(85.48,113.92) 85.55,113.85 93.41,113.85 94.28,114.72 136.88,114.72 B5.49 140.51,113.67 143.01,116.17 ; B14.6 77.61,132.72 78.4,133.51 v1(80.37,133.51) 80.99,134.12 ; v1(185.81,31.37) 183.78,29.34 82.24,29.34 v1(82.23,29.35) 29.83,29.35 B9.17
  Bottom w0.2: 186.82,34.36 186.82,32.38 v1(185.81,31.37) ; B13.30 165.62,143.89 165.62,134.75 162.57,131.7 v1(162.57,116.21) ; v1(80.37,133.51) 85.59,128.28 85.59,114.03 v1(85.48,113.92) 81.67,110.11 81.67,61.09 82.23,60.53 v1(82.23,29.35)
/A4: length 383.5
  Top w0.2: v1(32.14,123.57) 32.27,123.7 40.9,123.7 44.62,127.42 66.34,127.42 66.74,127.82 71.79,127.82 B14.7 79.58,130.18 82.26,132.85 87.35,132.85 88.62,134.13 90.45,134.13 91.36,135.04 120.58,135.04 121.2,135.66 140.58,135.66 141.68,136.76 146.34,136.76 v1(146.69,136.41) 146.7,136.4 164.22,136.4 v1(164.6,136.78) ; B1.7 162.19,113.67 163.24,112.61 178.55,112.61 v1(179.14,112.02)
  Bottom w0.2: v1(32.14,123.57) 31.12,122.56 31.12,37.98 B9.16 ; v1(179.14,112.02) 179.59,111.57 179.59,70.99 187.02,63.56 187.02,59.76 181.74,54.48 181.74,34.93 ; B13.29 164.6,145.42 v1(164.6,136.78) ; B1.7 146.69,117.35 v1(146.69,136.41)
/A5: length 380.7
  Top w0.2: B9.15 34.04,30.23 v1(81.48,30.23) 174.5,30.23 B7.12 ; B14.8 77.61,127.64 v1(77.73,127.76) 79.02,129.05 80.99,129.05 82.25,130.32 83.95,130.32 85.08,131.44 92.08,131.44 93.14,132.5 118.08,132.5 120.18,130.4 141.88,130.4 142.24,130.76 149.25,130.76 v1(149.57,130.43) 150.15,131.01 v1(160.27,131.01)
  Bottom w0.2: v1(149.57,130.43) 149.57,117.69 B1.8 ; v1(81.48,30.23) 81.82,30.57 81.82,34.73 81.17,35.38 81.17,122.09 77.73,125.53 v1(77.73,127.76) ; B13.28 163.33,144.15 160.27,141.09 v1(160.27,131.01)
